# Altium PCB NORA-B1-EVK.PcbDoc (part 3 of 6) (continued)
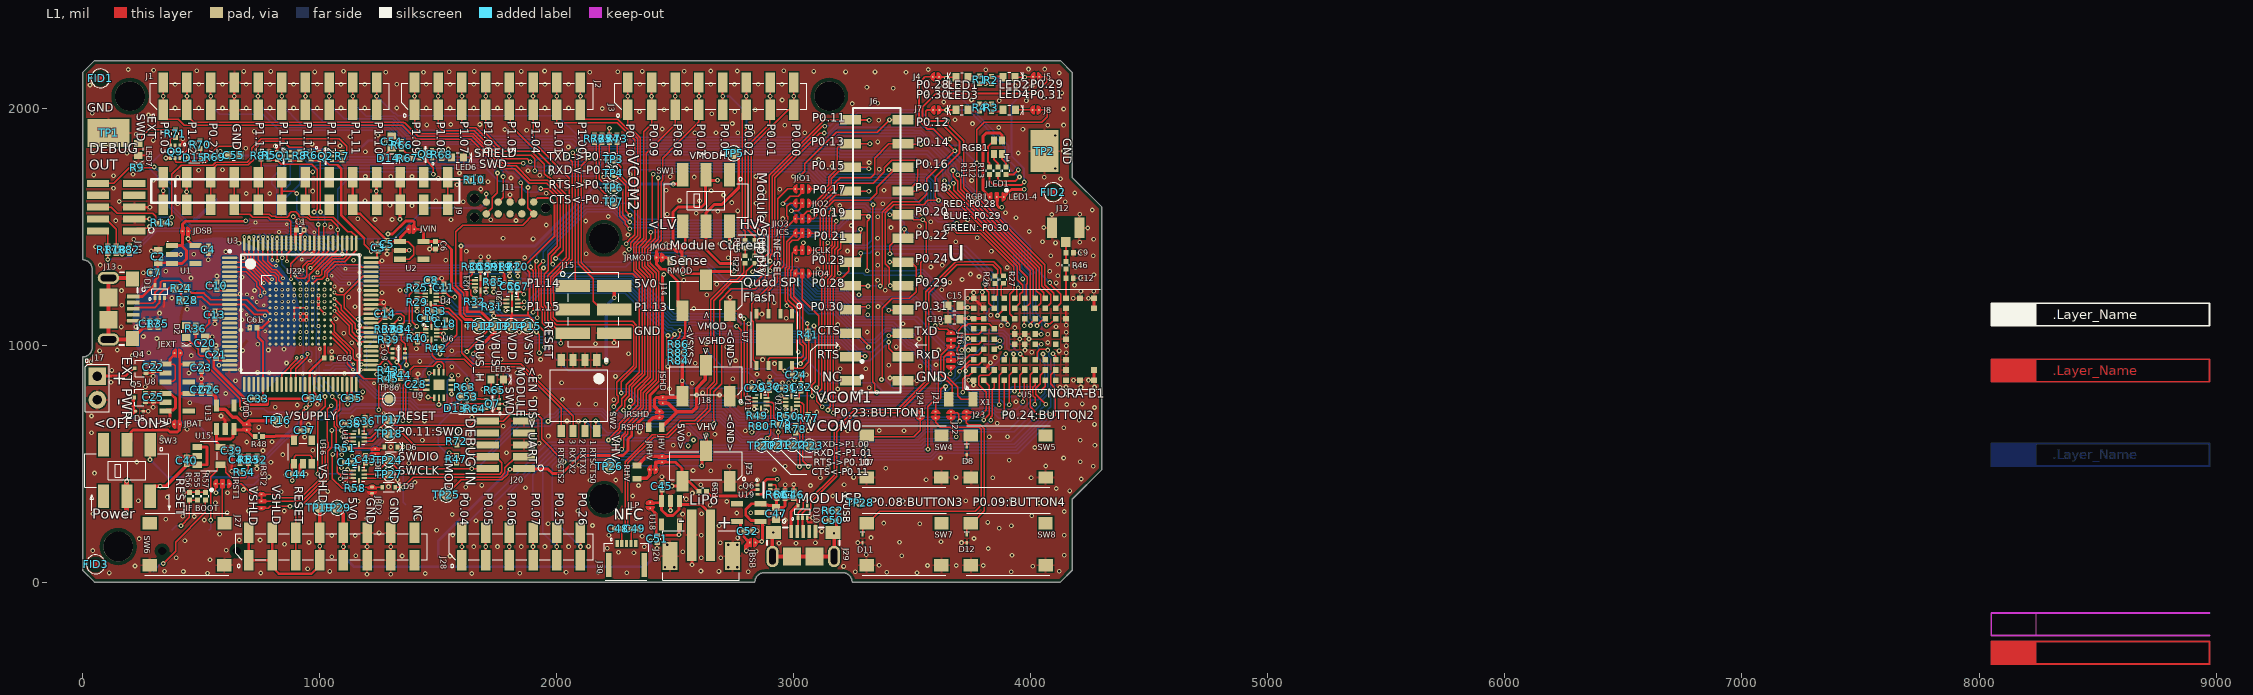
[diagram p0: L1 view]
## Nets (pads, with @x,y where several pads share a name; then routed paths per layer and width w, separated by ;. In a path a pad name is that pad's centre, name@x,y a point inside that pad or via, vN(x,y) a via of type N, cw(c..) or ccw(c..) an arc to the next point about the centre after c; other vN are vias at no path point) (continued)
  other v4: 893.97,1194.26 911.47,1243.26 792.73,1256.9 828.23,1282.7 755.55,1320.58 817.65,1376.19 747.05,1411.49 704.06,1544.24 789.81,1544.19 1058.05,1649.62 922.92,1657.05 1015.07,1727.33 1120.8,1727.33 941.43,1731.99
IMCU_BOOT: JRST1.1 R45.1 TP86.1 U3.53 U22.G11 | length 1539.1
  L1 w5.91: JRST1.1@560.47,415 560.47,379.49 v1(562.59,377.38)
  L1 w6: U22.G11@1046.26,1106.5 1046.26,1101.81 1062.01,1086.07 1062.01,1056.37 1140.63,977.74 1140.63,945.53 1150.91,935.25 1158.16,935.25 ; U3.53@1216.54,935.25 1158.16,935.25 ; v1(1248.68,727.43) 1248.68,774.34 ; R45.1@1272.74,857.82 1244.21,857.82 ; TP86.1@1292.04,772.64 1290.34,774.34 1248.68,774.34 ; 1158.16,935.25 1158.16,886.17 1186.51,857.82 1244.21,857.82 ; 1244.21,857.82 1248.68,853.35 1248.68,774.34
  L4 w6: v1(562.59,377.38) 595.04,409.84 721.14,409.84 773.49,462.19 773.49,515.52 942.97,685 1059.77,685 1088.04,713.28 1133.69,713.28 1154.85,734.43 1236.76,734.43 1239.29,731.9 1243.06,731.9 1246.62,728.35 1248.68,728.35 v1(1248.68,727.43)
IMCU_SWDCLK: J11.4 TPCLK1.1 U3.34 U22.J6 | length 2342
  L1 w6: U3.34@839.57,833.87 839.57,875.35 905.68,941.47 905.68,946.79 v2(903.14,946.79) ; J11.4@1753,1603.58 1773.62,1624.2 v1(1773.62,1710.83) v1@1773.62,1715.55
  L2 w6: v5(894.29,1052.75) 898.17,1056.63 916.94,1056.63 v2@918.19,1055.38 ; v5(899.78,964.79) 901.46,963.11 901.46,948.47 v2(903.14,946.79)
  L3 w6: v4(838.44,1544.2) 838.44,1542.11 886.91,1493.65 886.91,1441.94 909.11,1419.73 909.11,1337.51 897.74,1326.14 v4(897.74,1325.01) ; v5(894.29,1052.75) 904.62,1052.75 920.62,1036.75 920.62,998.07 900.27,977.73 900.27,965.29 v5(899.78,964.79) ; v5@899.82,964.4 919.34,944.88 958.57,944.88 961.45,947.76 962.55,947.76 v4(964.12,946.19)
  L4 w6: v4(838.44,1544.2) 837.8,1544.84 837.8,1641.55 TPCLK1.1@876.25,1680 876.25,1763.94 897.74,1785.43 933.11,1785.43 947.87,1770.67 1733.47,1770.67 1773.62,1730.52 v1(1773.62,1710.83) ; v4(897.74,1325.01) 897.74,1316.93 954.28,1260.39 954.28,980.44 965.75,968.98 965.75,954.71 964.12,953.08 v4(964.12,946.19)
  other v2: 918.31,1055.29
IMCU_SWDIO: J11.2 TPDIO1.1 U3.37 U22.H9 | length 2357.5
  L1 w6: U3.37@898.62,833.87 898.62,900.04 946.9,948.32 946.9,960.56 v2(948.77,962.43) ; v1(1848.71,1685.24) 1851.57,1682.38 1851.57,1605.01 J11.2@1853,1603.58
  L2 w6: v5(948.26,979.97) 948.51,979.71 948.51,962.68 v2(948.77,962.43) ; v2@994.52,1080.31 994.85,1079.97 994.85,1062.76 v5(994.63,1062.53)
  L3 w6: v4(814.71,1544.2) 875,1483.91 875,1437.01 897.2,1414.8 897.2,1354.1 v4(886.79,1343.69) ; v4(948.97,961.66) 948.61,962.02 948.61,979.61 v5(948.26,979.97) 950.94,982.65 950.94,993.49 951.2,993.75 951.2,1015.72 994.63,1059.15 v5(994.63,1062.53)
  L4 w6: v4(814.71,1544.2) 814.71,1547.41 818.9,1551.6 818.9,1659.6 798.75,1679.74 TPDIO1.1@798.75,1680 798.75,1703.28 892.81,1797.34 938.04,1797.34 952.81,1782.57 1738.4,1782.57 1740.14,1780.84 1742.89,1780.84 1797.73,1726 1816.93,1726 1852.15,1690.78 1852.15,1685.81 1850.15,1683.81 v1(1848.71,1685.24) ; v4(886.79,1343.69) 886.79,1339.52 884.45,1339.52 880.79,1335.86 880.79,1317.05 942.38,1255.46 942.38,970.89 948.97,964.3 v4(948.97,961.66)
  other v2: 995.08,1080.87
IMCU_SWO: J11.6 TPSWO1.1 U3.36 U22.J7 | length 2103
  L1 w6: U3.36@878.94,833.87 878.94,897.49 927.89,946.44 v2(924.59,949.73) ; J11.6@1703,1553.58 1728.35,1578.93 1728.35,1621.06 1750,1642.72 v1(1750,1726)
  L2 w6: v2(924.59,949.73) 925.54,949.73 v5(925.54,967.52) ; v5(941.98,1037.68) 943.79,1039.5 v2@943.79,1055.16
  L3 w6: v4(860.1,1544.19) 898.81,1505.45 898.81,1446.87 921.02,1424.67 921.02,1323.57 v4(919.34,1321.9) ; v5(925.54,967.52) 925.54,984.93 939.3,998.68 939.3,1035 v5(941.98,1037.68) 963.64,1059.34 v4(971.06,1059.34)
  L4 w6: v4(860.1,1544.19) 860.05,1544.24 860.05,1561.34 857.33,1564.06 857.33,1620.64 915,1678.32 TPSWO1.1@915,1756 916.86,1754.14 981.77,1754.14 985.6,1757.97 1718.03,1757.97 v1(1750,1726) ; v4(919.34,1321.9) 916.94,1319.5 916.94,1314.57 966.19,1265.32 966.19,1064.22 v4(971.06,1059.34)
  other v2: 943.9,1055.29
MCU_LED: D2.1 U3.51 U22.K11 | length 1351.7
  L1 w5.91: v2(1175.68,895.88) U3.51@1216.54,895.88
  L1 w6: U22.K11@1046.26,1029.69 1054.9,1029.69 1116.42,968.17 1116.42,920.43 v2(1140.98,895.88) ; U3.51@1216.54,895.88 1237.32,895.88 1240,893.19 v1(1240,876.72)
  L1 w8: D2.1@437.77,1031.97 487.67,982.07 487.67,962.94 496.32,954.29 512.3,954.29 534,932.59 534,902.92 663.39,773.53 663.39,742.43 672.05,733.77 v1(672.05,731.3)
  L2 w6: v2@1141.07,895.88 v2(1175.68,895.88)
  L3 w6: v1(1181.16,802.64) 1240,861.48 v1(1240,876.72)
  L4 w6: v1(672.05,731.3) 764.93,731.3 780.5,715.73 1028.3,715.73 1048.22,715.73 1135.13,802.64 v1(1181.16,802.64)
MOD_SWDCLK: Q7.2 R47.2 U3.82 U17.3 U22.C6 | length 2408
  L1 w6: v2(961.45,1325.13) 963.31,1326.99 967.06,1326.99 1036.42,1396.35 U3.82@1036.42,1430.33 ; v1(1053.34,782.8) 1072.24,763.89 1072.24,732.47 1061.02,721.25 1061.02,658.03 1070.29,648.76 1070.29,552.3 1073.92,548.67 1073.92,506.65 1073.35,506.08 1073.35,464.06 1082.4,455 1088.31,455 ; v1(1086.35,436.43) 1088.31,438.4 1088.31,455 ; U17.3@1141.38,455 1088.31,455 ; v1(1546.26,545.23) 1542.55,541.53 1569.67,541.53 R47.2@1576.45,534.75 ; Q7.2@1757.05,751.9 v1(1783.03,751.9)
  L2 w6: v5(918.19,1174.39) 918.19,1206.1 918.31,1206.22 v2(918.31,1208.86) ; v2(961.45,1325.13) 960.31,1323.99 962.27,1322.02 v5(962.27,1309.13)
  L3 w6: v5(918.19,1174.39) 918.19,1189.84 937.91,1209.56 937.91,1294.23 950.7,1307.02 v5@952.81,1309.13 ; v4(942.97,1314.75) 949.92,1307.8 951.48,1307.8 v5@952.81,1309.13 ; v5(962.27,1309.13) v5@952.81,1309.13
  L4 w6: v4(942.97,1314.75) 941.93,1313.71 941.93,1306.42 978.09,1270.25 978.09,1076.04 987.84,1066.29 987.84,1052.39 985.6,1050.15 985.6,850.54 v1(1053.34,782.8) ; v1(1086.35,436.43) 1107.31,436.43 1332.2,661.33 1500.48,661.33 ; v1(1546.26,545.23) 1533.83,545.23 1500.48,578.58 1500.48,661.33 ; v1(1783.03,751.9) 1591.05,751.9 1500.48,661.33
MOD_SWDIO: U3.92 U17.2 U22.B4 | length 1366.7
  L1 w6: U3.92@839.57,1430.33 840.57,1429.32 840.57,1369.7 v1(841.58,1368.7) ; v1(991.83,457.68) 991.83,710.34 1022.54,741.05 1022.54,782.7 v1(1022.64,782.8) ; v1(1117.6,475) 1121.85,470.75 U17.2@1141.38,470.75
  L2 w6: v1(841.58,1368.7) 843.89,1366.39 843.89,1349.7 845.57,1348.02 845.57,1325.73 856.56,1314.73 856.56,1295.52 861.79,1290.29 861.79,1248.54 863.43,1246.9 863.43,1235.58 v2(865.3,1233.72)
  L4 w6: v1(841.58,1368.7) 839.57,1366.69 839.57,1341.43 930.47,1250.53 930.47,956.06 971.46,915.07 971.46,833.98 v1(1022.64,782.8) ; v1(991.83,457.68) 1022.42,457.68 1023.01,457.09 1099.68,457.09 v1(1117.6,475)
MOD_SWO: U9.1 U14.3 | length 787.6
  L1 w6: v1(1098.16,613.07) 1101.23,610 U14.3@1141.38,610 ; v1(1376.99,681.47) 1376.99,681.63 1364,694.61 1364,826.4 1380.12,842.52 1380.12,894.3 1396.86,911.03 1476.89,911.03 1495.1,929.25 1513.5,929.25 1522.53,920.22 U9.1@1522.53,885.83
  L4 w6: v1(1098.16,613.07) 1192.57,613.07 1280.32,700.82 1357.64,700.82 v1(1376.99,681.47)
MODUSBD_N: D10.1 J29.2 R27.2 | length 1765.8
  L1 w6: D10.1@3018.16,270.81 D10.1@3017.31,271.66 3019.43,273.77 3019.43,292.34 3040.78,313.69 3040.78,337.81 3046.64,343.66 3061.61,343.66 3169.92,451.97 3169.92,639.12 3257.37,726.57 3435.58,726.57 3556.44,847.43 3556.44,1224.68 3682.55,1350.79 3844.3,1350.79 3864.96,1330.13 3872.22,1322.87 3872.22,1303.07 3875.74,1299.56 3877.47,1299.56 R27.2@3884.71,1292.32
  L1 w8: J29.2@3014.41,213.55 3018.16,217.29 D10.1@3018.16,270.81
MODUSBD_P: D10.2 J29.3 R26.2 | length 1725.5
  L1 w6: D10.2@3037,271.66 3035.43,273.22 3035.43,290.88 3050.5,305.95 3066.73,305.95 3072.59,311.81 3072.59,337.67 3181.92,447 3181.92,634.15 3262.34,714.57 3440.55,714.57 3568.86,842.88 3568.86,1220.13 3687.52,1338.79 3839.33,1338.79 3860.22,1317.89 3860.22,1302.09 3856.71,1298.57 3855.38,1298.57 R26.2@3848.15,1291.34
  L1 w8: D10.2@3037,271.66 3037,267.3 3036.16,266.46 3036.16,217.39 J29.3@3040,213.55
NetBat1_1: BAT1.1 D5.1 Q5.3 | length 1781.7
  L1 w15: v1(201.25,702) 202.6,702 D5.1@222.06,721.46 ; Q5.3@214.17,778.54 214.17,729.34 D5.1@222.06,721.46 ; D5.1@223.23,721.46 D5.1@222.06,721.46
  L3 w12: v1(201.25,702) 185.04,718.21 185.04,1060.04 185.3,1060.3 185.3,1093.26 186.61,1094.57 186.61,1350.62 306.62,1470.62 381.99,1470.62 445.81,1534.45 v4(489.18,1534.45)
  L4 w5.91: v4(489.18,1534.45) 564.96,1610.23 BAT1.1@564.96,1614.17
  L4 w12: v1(201.25,702) 227.64,675.61 473.53,675.61 BAT1.1@564.96,584.17 ; v4(472.44,1534.45) 472.44,1531.11 475.69,1527.86 485.73,1537.9 562.01,1614.17 BAT1.1@564.96,1614.17
NetC9_1: C9.1 J12.1 R46.2 | length 81.1
  L1 w8.75: J12.1@4147.64,1435.04 4148.23,1434.45 R46.2@4148.23,1354.17
NetC12_1: C12.1 R46.1 U5.K9 | length 115.8
  L1 w6: C12.1@4149.13,1277.82 C12.1@4149.21,1277.74
  L1 w8.75: C12.1@4147.64,1285.18 4147.64,1318.15 R46.1@4148.23,1318.74 ; U5.K9@4148.23,1198.23 C12.1@4148.23,1280.07
NetC22_1: C22.1 JEXT.2 Q4.2 U8.1 U8.3 | length 302
  L1 w6: U8.3@349,844.7 350.76,846.46 381.45,846.46 390.34,855.35 390.34,913.39 384.23,919.5 U8.1@349,919.5
  L1 w12: Q4.2@267.31,921.47 268.29,920.48 U8.1@348.02,920.48 ; U8.1@349,919.5 U8.1@348.02,920.48 ; JEXT.2@387.59,966.14 387.59,960.05 368.59,941.06 368.59,924.33 364.75,920.48 U8.1@348.02,920.48
NetC39_1: C39.1 C41.1 JVDD.2 R48.1 R52.2 R53.2 U13.1 U13.3 U15.5 | length 475.8
  L1 w6: R53.2@699.05,533.67 R53.2@700.03,532.69
  L1 w10: JVDD.2@692.2,641.71 698.06,635.85 718.91,615 R48.1@727.95,615 ; R53.2@700.03,532.69 R52.2@735.24,532.69
  L1 w12: U13.1@564.4,646.54 564.4,603.35 ; JVDD.2@692.2,641.71 678.3,641.71 644.03,641.71 U13.3@639.2,646.54 634.38,641.71 634.38,611.43 626.29,603.35 564.4,603.35 ; R53.2@699.05,533.67 664.8,533.67 657.61,540.86 657.61,556.07 647.68,566 633.6,566 C39.1@629.36,570.23 629.29,570.16 586.24,570.16 586.16,570.09 U15.5@581.69,570.09 578.49,570.09 571.49,577.08 571.49,584.76 564.4,591.85 564.4,603.35
NetC41_2: C41.2 R53.1 R54.2 SW9.3 U15.4 | length 538.4
  L1 w5.91: v1(540.78,261.81) 541.15,262.18 541.15,443.97 568.45,471.26 568.45,485.25 578.49,495.29 U15.4@581.69,495.29 U15.4@586.16,495.29
  L1 w6: U15.4@586.16,495.29 593.84,495.29 603.83,485.3 603.83,463.84 626.46,441.22 685.16,441.22 690.6,446.66 690.6,457.09 R54.2@697.83,464.32 697.83,499 R53.1@698.06,499.23 ; C41.2@663.82,499.23 R53.1@698.06,499.23 ; R53.1@700.03,501.19 R53.1@698.06,499.23
  L4 w5.91: SW9.3@532.56,217.91 540.78,226.13 v1(540.78,261.81)
NetC45_1: C45.1 J26.2 JLP.2 U18.1 U18.3 | length 512.5
  L1 w12: JLP.2@2394.41,336.47 2396.05,334.83 2410.5,334.83 2411.36,334.83 U18.3@2442.6,334.83 ; C45.1@2443.62,388.78 2443.11,388.27 2443.11,342.07 U18.3@2442.6,341.55 U18.3@2442.6,334.83 ; J26.2@2649.37,198.58 2649.37,287.17 2609.54,327 2522.23,327 2517.4,331.83 U18.1@2517.4,341.55 2515.75,339.9 2515.75,331.83 2515.75,306.1 2490.16,280.51 2466,280.51 2442.6,303.91 U18.3@2442.6,334.83
NetC50_2: C50.2 J29.6 R62.1 | length 559
  L1 w12: J29.6@3164.75,210.84 J29.6@3165.98,209.61 ; J29.6@3180.75,204.84 C50.2@3180.75,260.23 R62.1@3180.75,296.23
  L1 w15: v1(2914.02,209.61) 2910.08,205.67 J29.6@2910.08,108.23 J29.6@3169.92,108.25 v1(3169.92,205.67) J29.6@3165.98,209.61
NetC53_2: C53.2 D13.A Q7.5 R63.1 | length 236.4
  L1 w6: D13.A@1545.28,734.25 1564.02,753 1596.57,753 ; R63.1@1596.21,822.36 1596.21,781.95 C53.2@1596.57,781.59 1596.57,753 ; Q7.5@1703.9,751.9 1703.1,752.7 1612.26,752.7 1611.96,753 1596.57,753
NetC54_2: C54.2 D14.A Q8.5 R66.1 | length 189.2
  L1 w6: D14.A@1261.03,1787.85 1304.51,1831.33 C54.2@1304.51,1831.69 1308.38,1827.83 R66.1@1345.47,1827.83 1365.02,1808.28 1417.67,1808.28 Q8.5@1420.83,1805.12
NetC55_2: C55.2 D15.A Q9.5 R69.1 | length 374.6
  L1 w6: Q9.5@390.34,1789.81 390.34,1777.17 395.9,1771.61 431.05,1771.61 444.88,1785.43 D15.A@444.88,1789.37 ; D15.A@442.91,1789.81 446.08,1786.64 460.54,1772.18 485.34,1772.18 486.47,1771.06 509.59,1771.06 510.72,1772.18 519.5,1772.18 540.62,1793.31 R69.1@542.37,1793.31 542.37,1808.28 561.8,1827.71 572.88,1838.79 649.4,1838.79 663.39,1824.8 C55.2@663.39,1800.2
NetD2_2: D2.2 R36.1 | length 40.3
  L1 w8: D2.2@437.77,1083.15 475.59,1083.15 R36.1@477.36,1084.92
NetD6_A: D6.A JDB1.2 R51.2 U14.5 | length 166.8
  L1 w6: R51.2@1123.75,564 1164.84,564 ; U14.5@1165,582.44 1165,564.16 1164.84,564 ; 1243.51,564 1233.91,564 1221.07,564 1164.84,564 ; 1246.74,564 1266.58,564 D6.A@1272.74,570.17
NetD7_1: D7.1 J24.1 SW4.1 | length 348.5
  L1 w6: D7.1@3299.84,564.7 3299.84,610.91 SW4.1@3307.52,618.58 3313.21,612.89 3506.18,612.89 3533.13,639.84 J24.1@3533.13,692.16
NetD8_1: D8.1 J21.1 SW5.1 | length 241.8
  L1 w6: J21.1@3598.13,692.16 3598.13,674.33 3618.92,653.54 3661.42,653.54 3675.39,639.57 3726.53,639.57 SW5.1@3747.52,618.58 ; D8.1@3730,570 3730,601.06 SW5.1@3744.47,615.53
NetD9_A: D9.A JBD2.2 R58.2 U17.5 | length 132.9
  L1 w6: R58.2@1164.84,395.3 R58.2@1165,395.46 ; U17.5@1165,427.44 R58.2@1165,395.46 ; D9.A@1263.44,401 1170.54,401 R58.2@1165,395.46
NetD11_1: D11.1 J22.1 SW7.1 | length 1043.9
  L1 w6: D11.1@3290,200 3290,231.06 SW7.1@3307.52,248.58 ; SW7.1@3312.56,248.58 3362.4,298.43 3764.96,298.43 3790.35,323.82 3790.35,644.69 3781.96,653.08 3682.9,653.08 3663.13,672.84 J22.1@3663.13,692.16
NetD12_1: D12.1 J23.1 SW8.1 | length 591.3
  L1 w6: J23.1@3728.13,692.16 3728.13,671.97 3735.12,664.98 3787.14,664.98 3804.13,647.99 3804.13,300.2 3758.58,254.65 3758.58,248.58 SW8.1@3747.52,248.58 3730,231.06 D12.1@3730,200
NetD13_C: D13.C R64.1 | length 41.2
  L1 w6: D13.C@1600.39,734.25 1638.71,734.25 R64.1@1640.75,732.21
NetD14_C: D14.C R67.1 | length 40.5
  L1 w6: D14.C@1316.15,1787.85 1316.69,1788.39 R67.1@1356.43,1788.39
NetD15_C: D15.C R70.1 | length 41.8
  L1 w6: R70.1@491.14,1828.74 498.03,1821.85 D15.C@498.03,1789.81
NetJ8_1: J8.1 LED4.1 | length 72.8
  L1 w6: LED4.1@3934.59,1992 J8.1@4007.4,1992
NetJ9_13: J9.13 R10.2 | length 206.7
  L1 w6: J9.13@1540,1592.32 J9.13@1540,1707.68 1549.69,1697.98 R10.2@1627.3,1697.98
NetJ10_2: J10.2 R17.1 | length 98.6
  L1 w5.91: J10.2@64.96,1482 93.76,1482 105.77,1469.99 105.77,1417.57 R17.1@106.02,1417.32
NetJ10_4: J10.4 R18.1 | length 166.1
  L1 w5.91: J10.4@64.96,1532 98.42,1532 141.73,1488.69 R18.1@141.73,1417.32
NetJ10_6: J10.6 R14.1 | length 290.8
  L1 w5.91: J10.6@64.96,1582 119.77,1582 145.67,1556.1 296.33,1556.1 308.58,1543.84 308.58,1522.74 R14.1@315.87,1515.45
NetJ10_10: J10.10 R9.1 | length 175.6
  L1 w6: J10.10@63.96,1682 J10.10@64.96,1682 131.49,1682 196.69,1747.2 R9.1@212.6,1747.2
NetJ16_1: J16.1 X1.1 | length 280.1
  L1 w6: X1.1@3653.54,771.65 3654.72,770.48 3668.88,770.48 3668.88,798.34 3668.88,828.16 3648.88,848.17 3647.85,848.17 3629.8,866.22 3629.8,867.25 3621,876.05 3621,957.83 3656.02,992.85 J16.1@3663.02,992.85
NetJ17_1: J17.1 Q4.3 | length 167.7
  L1 w12: J17.1@62,869 181.18,869 213.96,901.78 Q4.3@216.12,901.78
NetJ19_1: J19.1 X1.2 | length 294.1
  L1 w6: J19.1@3662.57,964.3 3647.84,964.3 3632.91,949.37 3632.91,881.58 3641.71,872.78 3641.71,871.15 3652.78,860.07 3654.41,860.07 3692.03,822.45 3692.03,786.72 3707.1,771.65 X1.2@3755.91,771.65
NetJCLK_1: JCLK.1 U7.6 | length 653.5
  L1 w6: U7.6@2893.31,914.5 2893.31,940.55 2898.86,946.11 3030.99,946.11 3040.24,955.36 3040.24,994.12 3025.89,1008.47 3025.89,1011.39 3025.89,1162.98 2987.48,1201.39 2987.48,1314.27 2993.31,1320.09 2993.31,1387.22 JCLK.1@3006.25,1400.16
NetJCS_1: JCS.1 R41.1 U7.1 | length 526.4
  L1 w6: U7.1@2993.31,1132.21 2993.31,1154.62 2981.19,1166.73 v1(2970.44,1166.73) 2969.49,1167.68 2969.49,1181 2963.67,1186.81 2963.67,1324.13 2969.49,1329.95 2969.49,1435.58 JCS.1@3006.25,1472.35 ; v1(3057.26,1090.85) 3057.26,1090.63 3059.06,1088.82 R41.1@3059.06,1059.58
  L4 w6: v1(2970.44,1166.73) 2980,1166.73 v1@3056.68,1090.05
NetJIO1_1: JIO1.1 U7.5 | length 847.9
  L1 w6: U7.5@2843.31,914.5 2843.31,923.8 2828.91,938.2 2828.91,1097.83 2822.08,1104.65 2822.08,1175.14 2919.2,1272.25 2919.2,1330.17 2933.07,1344.04 2933.07,1617.28 2974.47,1658.68 JIO1.1@3006.25,1658.68
NetJIO2_1: JIO2.1 U7.3 | length 528.9
  L1 w6: U7.3@2893.31,1132.21 2893.31,1229.53 2931.1,1267.32 2931.1,1325.24 2944.98,1339.11 2944.98,1491.8 2974.47,1521.29 2974.47,1542.24 2970.85,1545.87 2970.85,1585.1 2984.17,1598.43 JIO2.1@3006.25,1598.43
NetJIO3_1: JIO3.1 U7.2 | length 426.8
  L1 w6: U7.2@2943.31,1132.21 2943.31,1320.6 2956.88,1334.18 2956.88,1483.55 JIO3.1@3006.25,1532.92
NetJIO4_1: JIO4.1 U7.7 | length 528.4
  L1 w6: U7.7@2943.31,914.5 2943.31,903.87 2953.54,893.63 2959.53,893.63 v1(2962.21,890.95) ; JIO4.1@3006.26,1302.09 2999.39,1295.22 2999.39,1206.32 3037.79,1167.92 3037.79,1013.41 3052.15,999.05 3052.15,946.05 v1(3028.15,922.06)
  L4 w6: v1(2962.21,890.95) 2966.19,890.95 2996.89,921.65 3027.74,921.65 v1(3028.15,922.06)
NetJLED1_1: JLED1.1 R1.2 R2.2 R3.1 R4.1 | length 711.3
  L1 w12: R4.1@3784,2017.75 v1@3808.75,2017.75 ; R1.2@3784,2103 v1@3808.75,2103 ; v1@3809.5,2017 R3.1@3834,2017 ; v1@3809.5,2102.25 R2.2@3834,2102.25 ; JLED1.1@3886,1625 3918,1657 v1(3972,1657)
  L3 w12: v1(3809,2103) v1(3809,2017.75) 3809,1819.89 3971.89,1657 v1(3972,1657)
NetJLED1_3: JLED1.3 RGB1.4 | length 380.9
  L1 w12: JLED1.3@3826.92,1625 3798,1653.92 3798,1881 3812,1895 3869,1895 3877.73,1886.27 RGB1.4@3877.73,1862.54
NetJRHV_1: JRHV.1 RHV.1 | length 76.3
  L1 w15: RHV.1@2338.58,438.98 2379.36,438.98 2391.96,451.58 2391.96,469.28
NetJRMOD_1: JRMOD.1 RMOD.1 | length 36.5
  L1 w12: JRMOD.1@2446.88,1369.59 2462.71,1369.59 RMOD.1@2477.31,1354.99
NetJRSHD_1: JRSHD.1 RSHD.1 | length 74.1
  L1 w15: RSHD.1@2390.45,653.08 2390.45,678.09 2406.23,693.87 JRSHD.1@2432.97,693.87
NetJRST1_2: JRST1.2 SW6.2 | length 167.5
  L1 w6: SW6.2@587.48,248.58 590,251.1 JRST1.2@590,415
NetLED1_2: LED1.2 R1.1 | length 52.5
  L1 w8: LED1.2@3734.59,2142 3741.28,2135.31 3783.18,2135.31 R1.1@3784,2134.5
NetLED2_2: LED2.2 R2.1 | length 52.8
  L1 w8: R2.1@3834,2133.75 3875.16,2133.75 LED2.2@3883.41,2142
NetLED3_2: LED3.2 R4.2 | length 51.8
  L1 w8: LED3.2@3734.59,1992 3740.34,1986.25 R4.2@3784,1986.25
NetLED4_2: LED4.2 R3.2 | length 52.1
  L1 w8: R3.2@3834,1985.5 3876.91,1985.5 LED4.2@3883.41,1992
NetLED5_2: LED5.2 R65.2 | length 45.1
  L1 w6: R65.2@1723.21,809.73 1723.21,854.49 LED5.2@1723.43,854.7
NetLED6_2: LED6.2 R68.2 | length 43.8
  L1 w6: R68.2@1514.76,1786.42 1551.24,1786.42 LED6.2@1556.41,1791.59
NetLED7_2: LED7.2 R71.2 | length 188.7
  L1 w6: LED7.2@235.24,1851.38 247.36,1863.5 250,1863.5 250,1878.94 278.54,1907.48 R71.2@391.69,1907.48
NetQ1_5: Q1.5 Q1.6 R8.1 | length 82.3
  L1 w6: Q1.5@874.49,1798.32 891.23,1798.32 893.2,1800.29 893.2,1817.5 R8.1@912.43,1817.5 ; Q1.6@874.49,1818.01 893.7,1818.01 ; R8.1@910.85,1819.09 R8.1@912.43,1817.5 ; R8.1@915.87,1814.07 R8.1@912.43,1817.5
NetQ2_5: Q2.5 Q2.6 R7.2 | length 79.7
  L1 w6: Q2.5@1051.86,1797.34 1067.96,1797.34 1069.63,1799.01 1069.63,1817.02 Q2.6@1051.86,1817.02 ; 1070.92,1817.02 R7.2@1096.37,1817.02
NetQ3_2: Q3.2 R38.1 R39.2 | length 108.9
  L1 w6: Q3.2@1306.75,965.27 1303.84,968.17 1292.04,968.17 1288.32,971.89 1288.32,995.35 1299.22,1006.25 1299.22,1014.5 R39.2@1306.46,1021.73 1309.15,1024.42 R38.1@1309.15,1050.98
NetQ3_5: Q3.5 Q3.6 R34.2 | length 93
  L1 w6: R34.2@1343.21,1051.39 1343.21,1021.42 1359.9,1004.73 Q3.6@1359.9,984.95 Q3.5@1359.9,965.27
NetQ6_2: Q6.2 R59.2 | length 237.4
  L1 w12: R59.2@2631.89,382.87 2651.26,363.51 2798.65,363.51 2825.14,390 Q6.2@2850.27,390
NetQ6_5: Q6.5 Q6.6 R60.1 | length 77.2
  L1 w6: Q6.5@2900.57,390.23 2921.75,390.23 2927,384.98 2927,405.23 2922.31,409.92 Q6.6@2900.57,409.92
NetQ7_3: Q7.3 R65.1 | length 39.1
  L1 w6: R65.1@1754.71,809.73 1757.05,807.38 Q7.3@1757.05,771.58
NetQ7_6: Q7.6 R64.2 | length 31.7
  L1 w6: R64.2@1672.24,732.21 Q7.6@1703.9,732.21
NetQ8_3: Q8.3 R68.1 | length 43.6
  L1 w6: Q8.3@1473.98,1824.8 1507.87,1824.8 R68.1@1514.76,1817.91
NetQ8_6: Q8.6 R67.2 | length 34.1
  L1 w6: R67.2@1387.93,1788.39 1390.88,1785.43 Q8.6@1420.83,1785.43
NetQ9_3: Q9.3 R71.1 | length 49.8
  L1 w6: Q9.3@370.47,1842.52 370.47,1867.72 375.78,1873.03 388.74,1873.03 R71.1@391.69,1875.98
NetQ9_6: Q9.6 R70.2 | length 127
  L1 w6: Q9.6@409.84,1789.37 441.76,1821.29 441.76,1847.81 455.17,1861.22 490.16,1861.22 R70.2@491.14,1860.24
NetR11_2: R11.2 RGB1.3 | length 123.3
  L1 w8: R11.2@3826,1751.75 3826,1767 3820,1773 3820,1838.28 RGB1.3@3844.27,1862.54
NetR12_2: R12.2 RGB1.2 | length 60.6
  L1 w8: RGB1.2@3844.27,1805.46 3844.27,1783.73 3861,1767 R12.2@3861,1751.75
NetR13_2: R13.2 RGB1.1 | length 61.3
  L1 w8: RGB1.1@3877.73,1805.46 3877.73,1785.27 3896,1767 R13.2@3896,1751.75
NetR26_1: R26.1 U5.C9 | length 72.3
  L1 w6: U5.C9@3844.43,1198.03 3858.53,1212.12 3858.53,1250.05 3848.74,1259.84 R26.1@3848.15,1259.84
NetR27_1: R27.1 U5.D9 | length 72.4
  L1 w6: R27.1@3884.71,1260.83 3884.12,1260.83 3876.88,1253.59 3876.88,1251.92 3875.04,1250.08 3875.04,1210.73 U5.D9@3887.74,1198.03
NetR55_2: R55.2 R56.2 SW9.2 | length 206
  L1 w5.91: v1(415.1,238.19) 450.79,273.88 R56.2@450.79,345.98 R55.2@478.15,345.98 ; R55.2@478.15,347.75 R55.2@478.15,345.98 ; R55.2@484.06,345.98 R55.2@478.15,345.98
  L4 w5.91: SW9.2@375.08,217.91 395.36,238.19 v1(415.1,238.19)
NetR57_2: R57.2 SW9.1 | length 399
  L1 w6: v1(340.15,78.45) 392.34,130.63 392.34,169.29 517.9,294.85 R57.2@517.9,345.98
  L4 w6: SW9.1@296.34,44.69 330.1,78.45 v1(340.15,78.45)
nEXT_DB: D6.C D9.C J20.3 TP77.1 | length 884
  L1 w6: D9.C@1318.56,401 1319.16,400.4 v1(1352.36,400.4) 1394.88,442.91 1763.78,442.91 1781.5,460.63 1781.5,482.28 1828.21,529 J20.3@1861.77,529 ; D6.C@1327.86,570.17 1328.73,571.03 1328.9,570.87 v1(1352.36,570.87)
  L4 w6: v1(1352.36,570.87) v1(1352.36,400.4) 1352.36,337.64 TP77.1@1364,326
nEXT_RESET: R9.2 U3.73 U22.B8 | length 1520.8
  L1 w6: R9.2@245.75,1747.2 296.33,1747.2 300.66,1751.54 v1(301.89,1751.54) ; v2(1032.49,1275.85) 1032.49,1284.77 1032.76,1285.04 1032.76,1304.89 1067.39,1339.52 1166.03,1339.52 1168.31,1341.8 v1(1168.31,1378.91) ; 1166.76,1340.25 1178.06,1328.95 U3.73@1216.54,1328.95
  L2 w6: v2(969.49,1234.45) 970.5,1233.44 970.5,1217.38 v5(971.51,1216.37) ; v5(1006.06,1259.06) 1015.69,1259.06 v2(1032.49,1275.85)
  L3 w6: v5(971.51,1216.37) 971.51,1220.16 981,1229.65 981,1237.99 1002.06,1259.06 v5(1006.06,1259.06)
  L4 w6: v1(301.89,1751.54) 378.05,1675.38 378.05,1586.06 459.19,1504.92 696.07,1504.92 704.06,1512.9 870.21,1512.9 879.96,1503.16 949.25,1503.16 989.62,1462.79 1043.53,1462.79 1127.41,1378.91 v1(1168.31,1378.91)
NFC1: C48.2 J30.2 R22.1 | length 1494.2
  L1 w6: J30.2@2274.41,163.06 C48.2@2274.41,225.08 ; C48.2@2274.84,225.51 2288.39,239.06 2288.39,315.06 2288.48,315.16 2288.48,507.61 2403.46,622.59 2465.01,622.59 2522.53,680.12 2582.36,680.12 2635.21,732.96 2635.21,816.23 2663.91,844.93 2663.91,1005.62 2649.42,1020.11 2649.42,1191.64 2734.17,1276.39 2760.31,1276.39 2788.37,1304.46 2788.37,1340.12 R22.1@2792.9,1344.65
NFC2: C49.1 J30.4 R23.1 | length 1508.4
  L1 w6: J30.4@2313.78,163.06 2313.78,225.08 C49.1@2313.35,225.51 2300.39,238.47 2300.39,502.68 2408.39,610.69 2469.94,610.69 2527.47,668.21 2587.29,668.21 2647.11,728.03 2647.11,811.3 2675.81,840 2675.81,1010.55 2661.32,1025.04 2661.32,1186.71 2739.1,1264.49 2765.24,1264.49 2800.28,1299.52 2800.28,1310.69 2835.04,1345.45 R23.1@2835.63,1345.45
nIMCU_RESET: J11.10 R43.2 R44.2 TPRST1.1 U3.52 U22.J11 | length 3153.5
  L1 w6: U22.J11@1046.26,1055.28 1128.33,973.21 1128.33,932.26 v2(1141.38,919.21) ; v2(1176.08,918.47) 1176.08,915.56 U3.52@1216.54,915.56 1250.6,915.56 1270.12,935.08 v1@1275.94,935.08 ; v1(1275.94,944.88) v1@1275.94,935.08 ; R44.2@1341.74,857.82 1339.62,857.82 1327.26,870.17 1322.01,875.39 R43.2@1304.24,893.19 1304.24,917.77 1286.94,935.08 v1@1275.94,935.08 ; v1(1621.14,972.49) 1704.38,1055.72 1704.38,1093.81 1675.45,1122.75 1618.84,1122.75 1606.81,1134.77 1606.81,1218 1574.92,1249.9 1574.92,1477.34 1604.12,1506.54 1855.95,1506.54 J11.10@1903,1553.58 1877.95,1578.63 v1@1877.95,1664.57
  L2 w6: v2(1141.38,919.21) 1141.75,918.84 1175.71,918.84 v2(1176.08,918.47)
  L4 w6: TPRST1.1@760,1756 834.64,1756 887.88,1809.24 942.97,1809.24 957.74,1794.48 1743.34,1794.48 1745.07,1792.74 1767.94,1792.74 1878.94,1681.75 v1(1878.94,1664.57) ; v1(1275.94,944.88) 1311.37,909.45 1332.59,909.45 1373.24,950.09 1475.1,950.09 1481.86,943.34 1534.47,943.34 1548.74,957.61 1549.26,957.1 1564.92,957.1 1580.3,972.49 v1(1621.14,972.49)